# Altium PCB 整板_大板_one.PcbDoc (part 1 of 3) (continued)
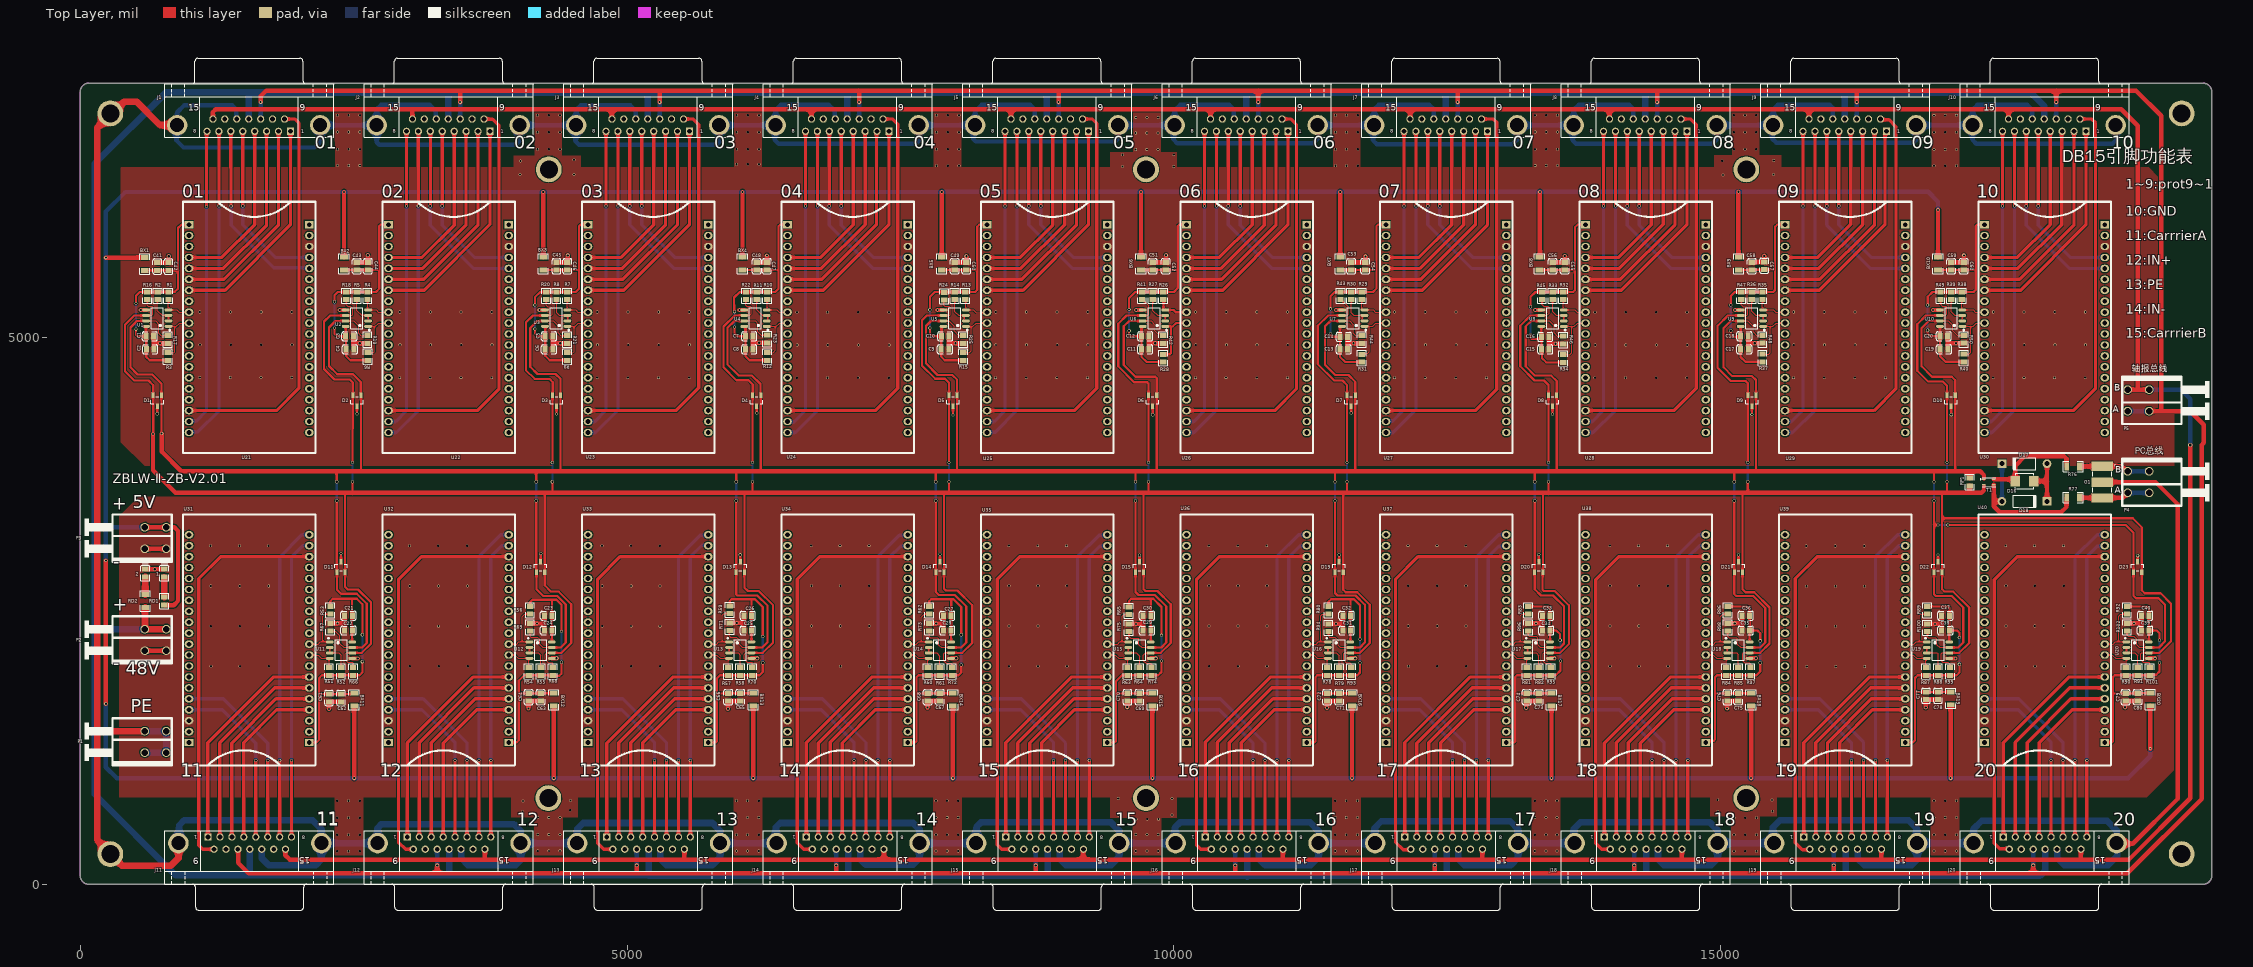
[diagram p0: Top Layer view]
## Components (designator, comment, footprint, x,y, rotation, side; value= is the part's Value field where it differs from the comment) (continued)
U6 "MAX13487" SOIC-8_150mil 9817.5,5175 r90 top
U7 "MAX13487" SOIC-8_150mil 11639.38,5175 r90 top
U8 "MAX13487" SOIC-8_150mil 13461.25,5175 r90 top
U9 "MAX13487" SOIC-8_150mil 15283.12,5175 r90 top
U10 "MAX13487" SOIC-8_150mil 17105,5175 r90 top
U11 "MAX13487" SOIC-8_150mil 2385,2140 r270 top
U12 "MAX13487" SOIC-8_150mil 4210,2140 r270 top
U13 "MAX13487" SOIC-8_150mil 6035,2140 r270 top
U14 "MAX13487" SOIC-8_150mil 7860,2140 r270 top
U15 "MAX13487" SOIC-8_150mil 9685,2140 r270 top
U16 "MAX13487" SOIC-8_150mil 11510,2140 r270 top
U17 "MAX13487" SOIC-8_150mil 13335,2140 r270 top
U18 "MAX13487" SOIC-8_150mil 15160,2140 r270 top
U19 "MAX13487" SOIC-8_150mil 16985,2140 r270 top
U20 "MAX13487" SOIC-8_150mil 18810,2140 r270 top
U21 "Stm32F103C8T6" stm32f103c8t6 995,6030 r270 top
U22 "Stm32F103C8T6" stm32f103c8t6 2818.89,6030 r270 top
U23 "Stm32F103C8T6" stm32f103c8t6 4642.78,6030 r270 top
U24 "Stm32F103C8T6" stm32f103c8t6 6466.67,6030 r270 top
U25 "Stm32F103C8T6" stm32f103c8t6 8290.56,6030 r270 top
U26 "Stm32F103C8T6" stm32f103c8t6 10114.44,6030 r270 top
U27 "Stm32F103C8T6" stm32f103c8t6 11938.33,6030 r270 top
U28 "Stm32F103C8T6" stm32f103c8t6 13762.22,6030 r270 top
U29 "Stm32F103C8T6" stm32f103c8t6 15586.11,6030 r270 top
U30 "Stm32F103C8T6" stm32f103c8t6 17410,6030 r270 top
U31 "Stm32F103C8T6" stm32f103c8t6 2095,1295 r90 top
U32 "Stm32F103C8T6" stm32f103c8t6 3918.89,1295 r90 top
U33 "Stm32F103C8T6" stm32f103c8t6 5742.78,1295 r90 top
U34 "Stm32F103C8T6" stm32f103c8t6 7566.67,1295 r90 top
U35 "Stm32F103C8T6" stm32f103c8t6 9390.56,1295 r90 top
U36 "Stm32F103C8T6" stm32f103c8t6 11214.44,1295 r90 top
U37 "Stm32F103C8T6" stm32f103c8t6 13038.33,1295 r90 top
U38 "Stm32F103C8T6" stm32f103c8t6 14862.22,1295 r90 top
U39 "Stm32F103C8T6" stm32f103c8t6 16686.11,1295 r90 top
U40 "Stm32F103C8T6" stm32f103c8t6 18510,1295 r90 top

## Footprints (in the part's own frame and the unit in brackets; to place one, negate y for a bottom-side part, rotate by r counter-clockwise, add the part's x,y. Pads: shape width x height; smd on the part's side, far side on the other; paste and mask are expansions set on the pad)
0805_C [mm]
  rect 1.16x1.47 smd: 1(-0.89,0) 2(0.89,0)
  silkscreen extent -1.77,-1.04 1.77,1.04, body extent -1,-0.62 1,0.63, height 0.77
0805_LED_S1 [mm]
  rect 1.16x1.47 smd: A(0.89,0) K(-0.89,0)
  silkscreen extent -2.25,-1.04 1.77,1.03, body extent -1.01,-0.62 1.01,0.62, height 1.1
0805_R [mm]
  rect 1.16x1.47 smd: 1(-0.89,0) 2(0.89,0)
  silkscreen extent -1.77,-1.04 1.77,1.03, body extent -1,-0.62 1,0.63, height 0.49
1206_R [mm]
  rect 1.13x1.8 smd: 1(-1.49,0) 2(1.49,0)
  silkscreen extent -2.36,-1.2 2.35,1.2, body extent -1.7,-0.86 1.65,0.87, height 0.85
ACM2520-2P [mm] "共模电感"
  rect 0.8x0.4 smd: 1(0,0) 2(0,-1.3) 3(2.3,-1.3) 4(2.3,0)
  silkscreen extent -0.86,-1.7 2.72,0.4
B3D090L-C [mm] "TVS管 GDT"
  rect 2.2x5 smd: 1(0,0) 2(3.7,0) 3(7.4,0)
  silkscreen extent -0.3,-2.2 6.1,3.1
DB15-PCB [mm] "公头"
  rect 1.69x1.69 hole 1.09: 1(0,0)
  round 1.69 hole 1.09: 2(-2.77,0) 3(-5.54,0) 4(-8.31,0) 5(-11.08,0) 6(-13.85,0) 7(-16.62,0) 8(-19.39,0) 9(-1.385,2.84) 10(-4.155,2.84) 11(-6.925,2.84) 12(-9.695,2.84) 13(-12.465,2.84) 14(-15.235,2.84) 15(-18.005,2.84)
  round 4.76 hole 3.26: 16(-26.3,1.42) 17(6.897,1.42)
  silkscreen extent -29.22,-1.4 10.04,16.99
DO-41 [mm] "Diode, Axial; Body 5.2 x 2.7 mm (LxDia. max), Lead Dia. 0.86 mm (max)"
  round 2 hole 1.2: 1(-5.23,0)
  rect 2x2 hole 1.2: 2(5.23,0)
  silkscreen extent -2.65,-1.4 2.75,1.4
SMBJ8_5CA [mm] "瞬态抑制二极管"
  rect 2.3x2.5 smd: 1(0,0) 2(4.3,0)
  silkscreen extent 0,-1.83 4.29,1.78
SOIC-8_150mil [mm]
  oval 0.7x1.8 smd: 1(-1.905,-2.6) 2(-0.635,-2.6) 3(0.635,-2.6) 4(1.905,-2.6) 5(1.905,2.6) 6(0.635,2.6) 7(-0.635,2.6) 8(-1.905,2.6)
  silkscreen extent -2.9,-3.05 2.4,1.4
SOT-23(SOT-23-3) [mm]
  rect 1.25x0.7 smd: 1(1.25,-0.95) 2(1.25,0.95) 3(-1.25,0)
  silkscreen extent -0.65,-1.46 0.9,1.46, body extent -1.5,-1.5 1.5,1.5, height 1.3
stm32f103c8t6 [mm] "优信30.77*58.71"
  rect 1.7x2 hole 1.1: 1(0,0) 40(0,27.94)
  oval 1.7x2 hole 1.1: 2(2.54,0) 3(5.08,0) 4(7.62,0) 5(10.16,0) 6(12.7,0) 7(15.24,0) 8(17.78,0) 9(20.32,0) 10(22.86,0) 11(25.4,0) 12(27.94,0) 13(30.48,0) 14(33.02,0) 15(35.56,0) 16(38.1,0) 17(40.64,0) 18(43.18,0) 19(45.72,0) 20(48.26,0) 21(48.26,27.94) 22(45.72,27.94) 23(43.18,27.94) 24(40.64,27.94) 25(38.1,27.94) 26(35.56,27.94) 27(33.02,27.94) 28(30.48,27.94) 29(27.94,27.94) 30(25.4,27.94) 31(22.86,27.94) 32(20.32,27.94) 33(17.78,27.94) 34(15.24,27.94) 35(12.7,27.94) 36(10.16,27.94) 37(7.62,27.94) 38(5.08,27.94) 39(2.54,27.94)
  silkscreen extent -5.33,-1.42 52.99,29.35
弹簧端子-KF242V-5.0-2P [mm]
  round 2 hole 1.5: 1(0,0) 1(0,-5) 2(5,-5) 2(5,0)
  silkscreen extent -3,-6.25 8,14

## Part data
1 2: library part "0805 翠绿", "发光二极管", Package=0805, SuppliersPartNumber=C2297, ComponentLink1Description=供应, ComponentLink1URL=http://www.szlcsc.com/product/details_2670.html, Supplier=LC
BX1 BX2 BX3 BX4 BX5 BX6 BX7 BX8 BX9 BX10 BX11 BX12 BX13 BX14 BX15 BX16 BX17 BX18 BX19 BX20: library part "1206 0Ω (0R0) 1%", "贴片电阻", Package=1206, SuppliersPartNumber=C17888, ComponentLink1Description=供应, ComponentLink1URL=http://www.szlcsc.com/product/details_18576.html, Supplier=LC
C1 C2 C3 C4 C5 C6 C7 C8 C9 C10 C11 C12 C13 C14 C15 C16 C17 C18 C19 C20 C21 C22 C23 C24 C25 C26 C27 C28 C29 C30 C31 C32 C33 C34 C35 C36 C37 C38 C39 C40 C41 C42 C43 C44 C45 C46 C47 C48 C49 C50 C51 C52 C53 C54 C55 C56 C57 C58 C59 C60 C61 C62 C63 C64 C65 C66 C67 C68 C69 C70 C71 C72 C73 C74 C75 C76 C77 C78 C79 C80: "Capacitor (Semiconductor SIM Model)", LatestRevisionDate=29-May-2009, LatestRevisionNote="IPC-7351 Footprint Added.", PackageDescription="Chip Capacitor", PackageReference=C1206, Published=8-Jun-2000, Publisher="Altium Limited"
D16: library part "D Varactor", "Variable Capacitance Diode", ComponentLink1Description="Manufacturer Link", ComponentLink1URL=http://www.zetex.com/, DatasheetVersion=Jan-1998, LatestRevisionDate=29-May-2009, LatestRevisionNote="IPC-7351 Footprint Added.", Note="Pin 2 is not connected and not drawn.", PackageDescription="3-Pin SOT-23 Package 0.95 mm Pitch, 2.3 mm Lead Span - Reverse Pinning", PackageReference=SOT23A, PackageVersion=1996, Published=8-Jun-2000, Publisher="Altium Limited"
D17 D18: library part "Diode 1N4007", "1 Amp General Purpose Rectifier", Code_JEDEC=DO-204-AL, ComponentLink1Description="Manufacturer Link", ComponentLink1URL=http://www.fairchildsemi.com/, ComponentLink2Description=Datasheet, ComponentLink2URL=http://www.fairchildsemi.com/ds/1N%2F1N4001.pdf, DatasheetVersion=1998, LatestRevisionDate=17-Jul-2002, LatestRevisionNote="Re-released for DXP Platform.", PackageDescription="Diode, Axial; Body 5.2 x 2.7 mm (LxDia. max), Lead Dia. 0.86 mm (max)", PackageReference=DO-41, PackageVersion=Aug-1999, Published=8-Jun-2000, Publisher="Altium Limited"
G1: library part GDT
J1 J2 J3 J4 J5 J6 J7 J8 J9 J10 J11 J12 J13 J14 J15 J16 J17 J18 J19 J20: "Receptacle Assembly, 15-Pin, Sim Line Connector", PackageDocument=B, DatasheetDocument=24-Nov-1999, Gender="Receptacle Header", LatestRevisionDate=17-Jul-2002, LatestRevisionNote="Re-released for DXP Platform.", Orientation="Right Angle", PackageReference=788574, Positions=15, Published=15-Jun-2001, Publisher="Altium Limited"
P1 P2 P3 P4 P5: "Header, 2-Pin", LatestRevisionDate=17-Jul-2002, LatestRevisionNote="Re-released for DXP Platform.", Publisher="Altium Limited"
R1 R2 R3 R4 R5 R6 R7 R8 R9 R10 R11 R12 R13 R14 R15 R16 R17 R18 R19 R20 R21 R22 R23 R24 R25 R26 R27 R28 R29 R30 R31 R32 R33 R34 R35 R36 R37 R38 R39 R40 R41 R42 R43 R44 R45 R46 R47 R48 R49 R50 R51 R52 R53 R54 R55 R56 R57 R58 R59 R60 R61 R62 R63 R64 R65 R66 R67 R68 R69 R70 R71 R72 R73 R74 R75 R78 R79 R80 R81 R82 R83 R84 R85 R86 R87 R88 R89 R90 R91 R92 R93 R94 R95 R96 R97 R98 R99 R100 R101 R102 RP1: library part Res_, "电阻"
R76 R77: library part Res2, "Resistor", LatestRevisionDate=17-Jul-2002, LatestRevisionNote="Re-released for DXP Platform.", PackageDescription="Axial Device, Thru-Hole; 2 Leads; 0.4 in Pin Spacing", PackageReference=AXIAL-0.4, Published=8-Jun-2000, Publisher="Altium Limited"
RD1: library part "0805 2.2KΩ (2201) 1%", "贴片电阻", Package=0805, SuppliersPartNumber=C17520, ComponentLink1Description=供应, ComponentLink1URL=http://www.szlcsc.com/product/details_18208.html, Supplier=LC
RD2: library part "0805 24KΩ (2402) 1%", "贴片电阻", Package=0805, SuppliersPartNumber=C17575, ComponentLink1Description=供应, ComponentLink1URL=http://www.szlcsc.com/product/details_18263.html, Supplier=LC
T1: library part "Trans Ideal", "Transformer (Ideal)", LatestRevisionDate=17-Jul-2002, LatestRevisionNote="Re-released for DXP Platform.", PackageDescription="Transformer; 4 Leads", PackageReference=TRF_4, Published=8-Jun-2000, Publisher="Altium Limited"
U1 U2 U3 U4 U5 U6 U7 U8 U9 U10 U11 U12 U13 U14 U15 U16 U17 U18 U19 U20: library part SP3485
U21 U22 U23 U24 U25 U26 U27 U28 U29 U30 U31 U32 U33 U34 U35 U36 U37 U38 U39 U40: library part MCU, "优信尺寸30.77*58.71"

## Free pads (board coordinates)
  round 236.22 hole 165.35: 0(275.59,275.59) 0(275.59,7047.24) 0(4280,787.4) 0(4284.45,6535.43) 0(9744.45,787.4) 0(9744.45,6535.43) 0(15231.45,787.4) 0(15232.32,6535.43) 0(19212.6,275.59) 0(19212.6,7047.24)

## Via types
v1: diameter 25, hole 20, Top Layer to Bottom Layer, 462 vias
v2: diameter 30, hole 20, Top Layer to Bottom Layer, 281 vias
v3: diameter 40, hole 25, Top Layer to Bottom Layer, 1 vias
v4: diameter 25, hole 15, Top Layer to Bottom Layer, 1 vias

## Nets (pads, with @x,y where several pads share a name; then routed paths per layer and width w, separated by ;. In a path a pad name is that pad's centre, name@x,y a point inside that pad or via, vN(x,y) a via of type N, cw(c..) or ccw(c..) an arc to the next point about the centre after c; other vN are vias at no path point)
+5V: BX1.1 BX2.1 BX3.1 BX4.1 BX5.1 BX6.1 BX7.1 BX8.1 BX9.1 BX10.1 BX11.1 BX12.1 BX13.1 BX14.1 BX15.1 BX16.1 BX17.1 BX18.1 BX19.1 BX20.1 P3.2 RD1.2 | length 54259.5
  Top Layer w40: v2(235,1650) v2(235,2960) ; v2(235,5728.66) BX1.1@590,5728.66 ; P3.2@590.55,3263.31 P3.2@787.4,3263.31 861.69,3263.31 895,3230 895,2590 855.79,2550.79 772.83,2550.79 RD1.2@770,2553.62 ; BX2.1@2411.67,5731.65 v2(2411.67,6328.63) ; v2(2505,970) BX11.1@2505,1621.34 ; BX3.1@4233.33,5731.65 v2(4233.33,6328.63) ; v2(4329.44,970) BX12.1@4329.44,1628.35 ; BX4.1@6049.58,5733.9 6051.83,5731.65 6052.76,5731.65 6055,5733.9 v2(6055,6328.63) ; v2@6153.89,970 BX13.1@6153.89,1628.35 ; BX5.1@7876.67,5731.65 v2(7876.67,6328.63) ; v2@7978.33,970 BX14.1@7978.33,1628.35 ; BX6.1@9698.33,5731.65 v2(9698.33,6328.63) ; v2@9802.78,970 BX15.1@9802.78,1628.35 ; BX7.1@11520,5731.65 v2(11520,6328.63) ; v2(11627.22,970) BX16.1@11627.22,1628.35 ; BX8.1@13338.2,5731.65 BX8.1@13341.67,5731.65 13342.76,5731.65 13345,5733.9 v2(13345,6328.63) ; v2(13451.46,970) 13451.56,970.1 13451.56,1628.24 BX17.1@13451.67,1628.35 ; v2(15160,6330) 15160,5733.9 15162.24,5731.65 BX9.1@15163.33,5731.65 ; v2(15275.87,970) 15275.99,970.12 15275.99,1628.23 BX18.1@15276.11,1628.35 ; BX10.1@16985,5731.65 v2(16985,6165) ; v2(17100.28,970) 17100.28,1641.06 BX19.1@17100.56,1641.34 ; v4(18925,1240) BX20.1@18925,1631.34
  Bottom Layer w40: v2(235,1650) 235,1070 335,970 v2(2505,970) v2(4329.44,970) v2(6153.82,970) v2(7978.23,970) v2(9802.64,970) v2(11627.22,970) v2(13451.46,970) v2(15275.87,970) v2(17100.28,970) 18725,970 18925,1170 v4(18925,1240) ; v2(235,2960) 235,3260 ; P3.2@590.55,3263.31 238.31,3263.31 235,3260 ; v2(16985,6165) 16985,6240 16895,6330 v2(15160,6330) 9705,6330 9704.39,6329.39 7879.39,6329.39 7878.63,6328.63 v2(7876.67,6328.63) v2(6055,6328.63) v2(4233.33,6328.63) v2(2411.67,6328.63) 413.63,6328.63 235,6150 v2(235,5728.66) 235,3260
CarrrierA: J1.11 J2.11 J3.11 J4.11 J5.11 J6.11 J7.11 J8.11 J9.11 J10.11 J11.11 J12.11 J13.11 J14.11 J15.11 J16.11 J17.11 J18.11 J19.11 J20.11 P5.2 | length 47316.3
  Top Layer w40: J11.11@1441.89,320 1445,316.89 1445,195 1540,100 3263.94,100 ; v2@1650.96,7150.96 1650.96,7205.96 1700,7255 3475,7255 ; v2(3263.94,172.28) 3263.94,100 ; v2(3473.83,7150) 3473.83,7253.83 3475,7255 ; J13.11@5085,317.17 J13.11@5087.83,320 ; v2(5087.83,172.28) 5086.88,171.32 5086.88,101.88 5085,100 ; v2(5297.72,7150) 5297.72,7254.78 5297.5,7255 ; v2(6911.72,172.28) 6910.76,171.32 6910.76,100.76 6910,100 ; v2(7121.61,7150) 7121.61,7253.39 7120,7255 ; v2(8735.61,172.28) 8735.61,100.61 8735,100 ; v2(8945,7150) 8945,7250 8940,7255 ; v2@10558.54,171.32 10558.54,103.54 10555,100 ; v2(10770,7150) 10770,7255 ; v2(12383.39,172.28) 12384.34,171.32 12384.34,100.66 12385,100 ; v2(12593.28,7150) 12593.28,7251.72 12590,7255 ; v2(14207.28,172.28) 14206.32,171.32 14206.32,101.32 14205,100 ; v2(14417.17,7150) 14417.17,7252.83 14415,7255 ; v2@16030.21,171.32 16030.21,100.21 16030,100 ; v2(16241.06,7150) 16241.06,7253.94 16240,7255 ; v2(17855,172.28) 17855,100 ; v2(18065,7150) 18065,7255 ; P5.2@18915,4325 19020,4325 ; 3263.94,100 5085,100 ; 3475,7255 5297.5,7255 ; 5085,100 6910,100 ; 5297.5,7255 7120,7255 ; 6910,100 8735,100 ; 7120,7255 8940,7255 ; 8735,100 10555,100 ; 8940,7255 10770,7255 ; 10555,100 12385,100 ; 10770,7255 12590,7255 ; 12385,100 14205,100 ; 12590,7255 14415,7255 ; 14205,100 16030,100 ; 14415,7255 16240,7255 ; 16030,100 17855,100 ; 16240,7255 18065,7255 ; 17855,100 18715,100 19395,780 19395,4015 19415,4035 19415,4200 19290,4325 19020,4325 ; 18065,7255 18795,7255 19025,7025 19025,4775 19025,4330 19020,4325
  Bottom Layer w40: J1.11@1649.95,6995 v2@1649.95,7150 ; v2@3263.94,171.06 v2(3263.94,172.28) J12.11@3263.94,320 ; J2.11@3473.83,6995 v2(3473.83,7150) ; v2@5087.83,167.17 v2(5087.83,172.28) J13.11@5087.83,320 ; J3.11@5297.72,6995 v2(5297.72,7150) ; v2@6911.72,171.72 v2(6911.72,172.28) J14.11@6911.72,320 ; J4.11@7121.61,6995 v2(7121.61,7150) ; v2(8735.61,172.28) J15.11@8735.61,320 ; v2(8945,7150) 8945,6995.5 J5.11@8945.5,6995 ; v2(10559.5,172.28) J16.11@10559.5,320 ; J6.11@10769.39,6995 10770,6995.61 v2(10770,7150) ; v2@12383.39,171.61 v2(12383.39,172.28) J17.11@12383.39,320 ; J7.11@12593.28,6995 v2(12593.28,7150) ; v2(14207.28,172.28) J18.11@14207.28,320 ; J8.11@14417.17,6995 v2@14417.17,7147.83 ; v2(16031.16,172.28) J19.11@16031.16,320 ; J9.11@16241.06,6995 v2@16241.06,7148.94 ; v2@17855.05,170.05 J20.11@17855.05,320 ; J10.11@18064.94,6995 18065,6995.06 v2(18065,7150) ; P5.2@18718.15,4325 P5.2@18915,4325
  other v2: 1650,7150
CarrrierB: J1.15 J2.15 J3.15 J4.15 J5.15 J6.15 J7.15 J8.15 J9.15 J10.15 J11.15 J12.15 J13.15 J14.15 J15.15 J16.15 J17.15 J18.15 J19.15 J20.15 P5.1 | length 43799.1
  Top Layer w40: J1.15@1213.72,6995 1213.72,7058.72 1240,7085 3037.61,7085 J2.15@3037.61,6995 ; J11.15@1878.11,320 1875,316.89 1875,265 1915,225 3700,225 ; 3040,7085 4860,7085 ; J12.15@3700.16,320 3700.16,225.16 3700,225 ; J3.15@4861.5,6995 4860,6996.5 4860,7085 ; J13.15@5524.05,320 5524.05,225.95 5525,225 ; J4.15@6685.39,6995 6685,6995.39 6685,7085 ; J14.15@7347.94,320 7347.94,225 ; J5.15@8509.28,6995 8510,6995.72 8510,7085 ; J15.15@9171.83,320 9170,318.17 9170,225 ; J6.15@10333.17,6995 10335,6996.83 10335,7085 ; J16.15@10995.72,320 10995.72,225.72 10995,225 ; J7.15@12157.06,6995 12160,6997.94 12160,7085 ; J17.15@12819.61,320 12819.61,225.39 12820,225 ; J8.15@13980.95,6995 13980,6995.95 13980,7085 ; J18.15@14643.5,320 14643.5,226.5 14645,225 ; J9.15@15804.84,6995 15805,6995.16 15805,7085 ; 16465,225 14645,225 ; J19.15@16467.39,320 16467.39,225 18290,225 ; J10.15@17628.72,6995 17630,6996.28 17630,7085 ; J20.15@18291.27,320 18291.27,226.27 18290,225 ; P5.1@18718.15,4521.85 18805,4521.85 ; P5.1@18915,4521.85 18805,4521.85 ; v3(19290,4015) 19290,785 18730,225 18290,225 ; 3700,225 5525,225 ; 4860,7085 6685,7085 ; 5525,225 7347.94,225 ; 6685,7085 8510,7085 ; 7347.94,225 9170,225 ; 8510,7085 10335,7085 ; 9170,225 10995,225 ; 10335,7085 12160,7085 ; 10995,225 12820,225 ; 12160,7085 13980,7085 ; 12820,225 14645,225 ; 13980,7085 15805,7085 ; 15805,7085 17630,7085 ; 17630,7085 18660,7085 18810,6935 18810,4765 18810,4526.85 18805,4521.85
  Bottom Layer w40: J5.15@8509.28,6995 J5.15@8510,6995.72 ; J9.15@15804.84,6995 15804.84,6990.16 J9.15@15805,6990 ; P5.1@18915,4521.85 19203.15,4521.85 19290,4435 v3(19290,4015)
GND: 1.K 2.K C1.2 C2.2 C3.2 C4.2 C5.2 C6.2 C7.2 C8.2 C9.2 C10.2 C11.2 C12.2 C13.2 C14.2 C15.2 C16.2 C17.2 C18.2 C19.2 C20.2 C21.2 C22.2 C23.2 C24.2 C25.2 C26.2 C27.2 C28.2 C29.2 C30.2 C31.2 C32.2 C33.2 C34.2 C35.2 C36.2 C37.2 C38.2 C39.2 C40.2 C41.2 C42.2 C43.2 C44.2 C45.2 C46.2 C47.2 C48.2 C49.2 C50.2 C51.2 C52.2 C53.2 C54.2 C55.2 C56.2 C57.2 C58.2 C59.2 C60.2 C61.2 C62.2 C63.2 C64.2 C65.2 C66.2 C67.2 C68.2 C69.2 C70.2 C71.2 C72.2 C73.2 C74.2 C75.2 C76.2 C77.2 C78.2 C79.2 C80.2 D1.3 D2.3 D3.3 D4.3 D5.3 D6.3 D7.3 D8.3 D9.3 D10.3 D11.3 D12.3 D13.3 D14.3 D15.3 D19.3 D20.3 D21.3 D22.3 D23.3 J1.10 J1.14 J2.10 J2.14 J3.10 J3.14 J4.10 J4.14 J5.10 J5.14 J6.10 J6.14 J7.10 J7.14 J8.10 J8.14 J9.10 J9.14 J10.10 J10.14 J11.10 J11.14 J12.10 J12.14 J13.10 J13.14 J14.10 J14.14 J15.10 J15.14 J16.10 J16.14 J17.10 J17.14 J18.10 J18.14 J19.10 J19.14 J20.10 J20.14 P2.1 P3.1 R17.2 R19.2 R21.2 R23.2 R25.2 R42.2 R44.2 R46.2 R48.2 R50.2 R67.2 R69.2 R71.2 R73.2 R75.2 R94.2 R96.2 R98.2 R100.2 R102.2 U1.5 U2.5 U3.5 U4.5 U5.5 U6.5 U7.5 U8.5 U9.5 U10.5 U11.5 U12.5 U13.5 U14.5 U15.5 U16.5 U17.5 U18.5 U19.5 U20.5 U21.38 U22.38 U23.38 U24.38 U25.38 U26.38 U27.38 U28.38 U29.38 U30.38 U31.38 U32.38 U33.38 U34.38 U35.38 U36.38 U37.38 U38.38 U39.38 U40.38 | length 11608.2
  Top Layer w20: v2(705,4302) D1.3@705,4370.79 ; D11.3@2385,2949.21 v2(2385,3024) ; v2(2530,4301) D2.3@2530,4370.79 ; v2@2536.45,2063.55 v2(2537,2063) ; D12.3@4210,2949.21 v2(4210,3023) ; v2(4355,4298) D3.3@4355,4370.79 ; D13.3@6035,2949.21 v2(6035,3011) ; v2(6185,4308) D4.3@6185,4370.79 ; D14.3@7860,2949.21 v2(7860,3016) ; v2(7980,4289) D5.3@7980,4370.79 ; D15.3@9685,2949.21 v2(9685,3008) ; v2(9805,4292) D6.3@9805,4370.79 ; D19.3@11510,2949.21 v2(11510,3013) ; v2(11620,4308) D7.3@11620,4370.79 ; D20.3@13335,2949.21 v2(13335,3015) ; v2(13461.25,4296.25) D8.3@13461.25,4370.79 ; D21.3@15160,2949.21 v2(15160,3013) ; v2(15283.12,4295.12) D9.3@15283.12,4370.79 ; D22.3@16985,2949.21 v2(16985,3009) ; U19.5@17087.36,2065 U19.5@17088.36,2064 ; v2(17105,4293) D10.3@17105,4370.79 ; D23.3@18810,2949.21 v2(18810,3004)
  Top Layer w40: v2(554,5250) U1.5@602.64,5250 ; P2.1@590.55,2134.78 P2.1@787.4,2134.78 ; P3.1@590.55,3066.46 P3.1@787.4,3066.46 ; 2.K@595,2880.04 1.K@770,2880 ; C1.2@671.87,5008.98 673.45,5007.39 673.45,4949.49 ; C2.2@675.04,4890 673.45,4891.59 673.45,4949.49 ; C41.2@705,5682.01 C42.2@807.11,5682.01 807.17,5682.01 810,5684.84 v2(810,5741) ; R17.2@802.11,4945 677.94,4945 673.45,4949.49 ; v2(2275,1602) C61.2@2275,1667.99 C62.2@2385,1667.99 ; R67.2@2287.89,2385.04 2415.67,2385.04 2418.13,2387.5 ; v2(2374,5250) U2.5@2427.64,5250 ; C22.2@2418.13,2320 2418.13,2387.5 ; C21.2@2418.13,2455 2418.13,2387.5 ; U11.5@2488.81,2063.55 v2@2536.45,2063.55 ; C3.2@2496.87,5008.98 2499.37,5006.48 2499.37,4949.49 ; C4.2@2501.87,4890 2499.37,4892.5 2499.37,4949.49 ; C43.2@2530,5685 C44.2@2630.76,5685 2630,5685.76 v2(2630,5750) ; R19.2@2627.11,4945 2503.85,4945 2499.37,4949.49 ; v2(4099,1607) 4099,1674 C64.2@4100,1675 C63.2@4210,1675 ; R69.2@4112.89,2383.98 4239.61,2383.98 4243.13,2387.5 ; v2(4198,5250) U3.5@4249.51,5250 ; C24.2@4243.13,2320 4243.13,2387.5 ; C23.2@4243.13,2455 4243.13,2387.5 ; U12.5@4313.36,2066 v2(4356,2066) ; C6.2@4321.87,4890 4321.87,4949.49 ; C5.2@4321.87,5008.98 4321.87,4949.49 ; C45.2@4355,5685 C46.2@4454.42,5685 4455.17,5685 4458,5687.83 v2(4458,5749) ; R21.2@4452.11,4945 v2(4389.23,4945) 4326.35,4945 4321.87,4949.49 ; v2(5922,1604) 5922,1672.17 5924.83,1675 C66.2@5925,1675 C65.2@6035,1675 ; R71.2@5937.89,2388.98 6066.66,2388.98 6068.13,2387.5 ; v2(6027,5250) U4.5@6071.39,5250 ; C25.2@6068.13,2320 6068.13,2387.5 ; C26.2@6068.13,2455 6068.13,2387.5 ; U13.5@6137.36,2065 v2(6190,2065) ; C8.2@6151.87,4890 6151.87,4949.49 ; C7.2@6151.87,5008.98 6151.87,4949.49 ; C48.2@6185,5685 C47.2@6278.07,5685 6278,5685.07 v2(6278,5747) ; R23.2@6282.11,4950 v2(6209,4950) 6152.38,4950 6151.87,4949.49 ; v2(7747,1615) 7747,1672.17 7749.83,1675 C68.2@7750,1675 C67.2@7860,1675 ; R73.2@7762.89,2383.98 7889.61,2383.98 7893.13,2387.5 ; v2(7837,5250) U5.5@7893.26,5250 ; C28.2@7893.13,2320 7893.13,2387.5 ; C27.2@7893.13,2455 7893.13,2387.5 ; C9.2@7941.87,4890 7942.87,4891 7942.87,4949.49 ; C10.2@7943.87,5008.98 7942.87,5007.98 7942.87,4949.49 ; U14.5@7963.36,2066 v2(8010,2066) ; C49.2@7995.63,5685 C50.2@8101.73,5685 8102,5685.27 v2(8102,5741) ; R25.2@8074.11,4945 7947.35,4945 7942.87,4949.49 ; v2(9573,1619) 9573,1673 C70.2@9575,1675 C69.2@9685,1675 ; R75.2@9587.89,2378.98 9718.11,2378.98 ; v2(9655,5250) U6.5@9715.14,5250 ; C29.2@9718.13,2320 9718.13,2379 C30.2@9718.13,2455 ; C11.2@9771.87,4890 9771.87,4949.49 ; C12.2@9771.87,5008.98 9771.87,4949.49 ; U15.5@9787.36,2065 v2(9834,2065) ; C51.2@9805,5685 C52.2@9925.38,5685 9928,5687.62 v2(9928,5750) ; R42.2@9902.11,4945 v2(9829,4945) 9776.35,4945 9771.87,4949.49 ; v2(11399,1614) 11399,1674 C72.2@11400,1675 C71.2@11510,1675 ; R94.2@11412.89,2380.04 11535.67,2380.04 11543.13,2387.5 ; v2(11481,5250) U7.5@11537.01,5250 ; C31.2@11543.13,2320 11543.13,2387.5 ; C32.2@11543.13,2455 11543.13,2387.5 ; C13.2@11586.87,4890 11586.87,4947.5 ; C14.2@11586.87,5005 11586.87,4947.5 ; U16.5@11612.36,2065 v2(11657,2065) ; C53.2@11620,5685 C54.2@11749.04,5685 11750,5685.96 v2(11750,5740) ; R44.2@11717.11,4945 11589.37,4945 11586.87,4947.5 ; v2(13220,1614) 13220,1672.17 13222.83,1675 C74.2@13225,1675 C73.2@13335,1675 ; R96.2@13237.89,2385.04 13365.67,2385.04 13368.13,2387.5 ; v2(13303,5250) U8.5@13358.89,5250 ; C34.2@13368.13,2320 13368.13,2387.5 ; C33.2@13368.13,2455 13368.13,2387.5 ; C16.2@13428.12,5005 13429.06,5004.06 13429.06,4947.5 ; C15.2@13430,4890 13429.06,4890.94 13429.06,4947.5 ; U17.5@13438.58,2063.78 13439.79,2065 v2(13479,2065) ; C56.2@13461.25,5685 C55.2@13572.69,5685 13573,5685.31 v2(13573,5743) ; R46.2@13558.36,4941.02 13435.53,4941.02 13429.06,4947.5 ; v2(15057,1606) 15057,1672.17 15059.83,1675 C76.2@15060,1675 C75.2@15160,1675 ; R98.2@15062.89,2385.04 v2(15126.78,2385.04) 15190.67,2385.04 15193.13,2387.5 ; v2(15130,5250) U9.5@15180.76,5250 ; C35.2@15193.13,2320 15193.13,2387.5 ; C36.2@15193.13,2455 15193.13,2387.5 ; C18.2@15249.99,5010 C18.2@15249.99,5010 15250.04,4950 ; C17.2@15250.08,4890 15250.04,4890.04 15250.04,4950 ; U18.5@15262.36,2065 15263.36,2066 v2(15320,2066) ; C58.2@15283.13,5685 15285.63,5687.5 15393.85,5687.5 C57.2@15396.35,5690 15397,5690.65 v2(15397,5744) ; R48.2@15380.24,4946.02 15254.01,4946.02 15250.04,4950 ; v2(16873,1616) 16873,1685.99 C77.2@16875,1687.99 C78.2@16985,1687.99 ; R100.2@16887.89,2380.04 17010.67,2380.04 17018.13,2387.5 ; v2(16939,5250) U10.5@17002.64,5250 ; C38.2@17018.13,2320 17018.13,2387.5 ; C37.2@17018.13,2455 17018.13,2387.5 ; C20.2@17071.87,5010 17073.43,5008.43 17073.43,4950 ; C19.2@17075,4890 17073.43,4891.57 17073.43,4950 ; U19.5@17088.36,2064 v2(17145,2064) ; C59.2@17105,5685 C60.2@17220,5685 17221,5686 v2(17221,5749) ; R50.2@17220,4946.02 v2(17148.7,4946.02) 17077.41,4946.02 17073.43,4950 ; v2(18695,1618) 18695,1672.17 18697.83,1675 C79.2@18700,1675 C80.2@18810,1675 ; R102.2@18712.89,2385.04 v2(18777.24,2385.04) 18841.59,2385.04 18844.05,2387.5 ; C39.2@18843.13,2320 18844.05,2320.91 18844.05,2387.5 ; C40.2@18844.96,2455 18844.05,2454.09 18844.05,2387.5 ; U20.5@18912.36,2065 v2(18969,2065)
  other v1: 2350.5,302 2453,302 2555.5,302 15120.5,302 15223,302 15325.5,302 5999.5,303 6102,303 6204.5,303 7823.5,303 7926,303 8028.5,303 11473.5,303 11576,303 11678.5,303 13297.5,303 13400,303 13502.5,303 16948.5,303 17051,303 17153.5,303 9650.5,304 9753,304 9855.5,304 4182.5,305 4285,305 4387.5,305 2350.5,452 2453,452 2555.5,452 15120.5,452 15223,452 15325.5,452 5999.5,453 6102,453 6204.5,453 7823.5,453 7926,453 8028.5,453 11473.5,453 11576,453 11678.5,453 13297.5,453 13400,453 13502.5,453 16948.5,453 17051,453 17153.5,453 9650.5,454 9753,454 9855.5,454 4182.5,455 4285,455 4387.5,455 9652.5,595 9755,595 9857.5,595 2350.5,608 2453,608 2555.5,608 15120.5,608 15223,608 15325.5,608 5999.5,609 6102,609 6204.5,609 7823.5,609 7926,609 8028.5,609 11473.5,609 11576,609 11678.5,609 13297.5,609 13400,609 13502.5,609 16948.5,609 17051,609 17153.5,609 4182.5,611 4285,611 4387.5,611 9490,633 9982,633 4045,663 14972,665 15471,667 4480,677 4048,760 2350.5,763 2453,763 2555.5,763 5999.5,764 6102,764 6204.5,764 7823.5,764 7926,764 8028.5,764 11473.5,764 11576,764 11678.5,764 13297.5,764 13400,764 13502.5,764 16948.5,764 17051,764 17153.5,764 4483,766 15468,771 14970,773 9490,783 9982,783 15785,1990.33 16049.5,1990.33 16314,1990.33 1195.5,1992 1460,1992 1724.5,1992 3014,1992.33 3278.5,1992.33 3543,1992.33 4774,1992.33 5038.5,1992.33 5303,1992.33 6687,1993.33 6951.5,1993.33 7216,1993.33 8493,1993.33 8757.5,1993.33 9022,1993.33 10322,1993.33 10586.5,1993.33 10851,1993.33 12143,1993.33 12407.5,1993.33 12672,1993.33 13987,1993.33 14251.5,1993.33 14516,1993.33 17607,1993.33 17871.5,1993.33 18136,1993.33 15783.5,2357.67 16048,2357.67 16312.5,2357.67 1194,2359.33 1458.5,2359.33 1723,2359.33 3012.5,2359.67 3277,2359.67 3541.5,2359.67 4772.5,2359.67 5037,2359.67 5301.5,2359.67 6685.5,2360.67 6950,2360.67 7214.5,2360.67 8491.5,2360.67 8756,2360.67 9020.5,2360.67 10320.5,2360.67 10585,2360.67 10849.5,2360.67 12141.5,2360.67 12406,2360.67 12670.5,2360.67 13985.5,2360.67 14250,2360.67 14514.5,2360.67 17605.5,2360.67 17870,2360.67 18134.5,2360.67 15783.5,2725 16048,2725 16312.5,2725 1194,2726.67 1458.5,2726.67 1723,2726.67 3012.5,2727 3277,2727 3541.5,2727 4772.5,2727 5037,2727 5301.5,2727 6685.5,2728 6950,2728 7214.5,2728 8491.5,2728 8756,2728 9020.5,2728 10320.5,2728 10585,2728 10849.5,2728 12141.5,2728 12406,2728 12670.5,2728 13985.5,2728 14250,2728 14514.5,2728 17605.5,2728 17870,2728 18134.5,2728 15781,3092.33 16045.5,3092.33 16310,3092.33 1191.5,3094 1456,3094 1720.5,3094 3010,3094.33 3274.5,3094.33 3539,3094.33 4770,3094.33 5034.5,3094.33 5299,3094.33 6683,3095.33 6947.5,3095.33 7212,3095.33 8489,3095.33 8753.5,3095.33 9018,3095.33 10318,3095.33 10582.5,3095.33 10847,3095.33 12139,3095.33 12403.5,3095.33 12668,3095.33 13983,3095.33 14247.5,3095.33 14512,3095.33 17603,3095.33 17867.5,3095.33 18132,3095.33 2920.67,4631.5 3201,4631.5 3481.33,4631.5 3761.67,4631.5 4726.67,4631.5 5007,4631.5 5287.33,4631.5 5567.67,4631.5 6551.67,4630.5 6832,4630.5 7112.33,4630.5 7392.67,4630.5 8368.67,4631.5 8649,4631.5 8929.33,4631.5 9209.67,4631.5 10195.67,4631.5 10476,4631.5 10756.33,4631.5 11036.67,4631.5 12015.67,4631.5 12296,4631.5 12576.33,4631.5 12856.67,4631.5 13847.67,4630.5 14128,4630.5 14408.33,4630.5 14688.67,4630.5 15663.67,4631.5 15944,4631.5 16224.33,4631.5 16504.67,4631.5 17489.67,4631.5 17770,4631.5 18050.33,4631.5 18330.67,4631.5 1092.67,4632 1373,4632 1653.33,4632 1933.67,4632 6554.67,4930 6835,4930 7115.33,4930 7395.67,4930 13850.67,4930 14131,4930 14411.33,4930 14691.67,4930 1095.67,4931.5 1376,4931.5 1656.33,4931.5 1936.67,4931.5 2923.67,4931 3204,4931 3484.33,4931 3764.67,4931 4729.67,4931 5010,4931 5290.33,4931 5570.67,4931 8371.67,4931 8652,4931 8932.33,4931 9212.67,4931 10198.67,4931 10479,4931 10759.33,4931 11039.67,4931 12018.67,4931 12299,4931 12579.33,4931 12859.67,4931 15666.67,4931 15947,4931 16227.33,4931 16507.67,4931 17492.67,4931 17773,4931 18053.33,4931 18333.67,4931 6553,5229.5 6833.33,5229.5 7113.67,5229.5 7394,5229.5 13849,5229.5 14129.33,5229.5 14409.67,5229.5 14690,5229.5 1094,5231 1374.33,5231 1654.67,5231 1935,5231 2922,5230.5 3202.33,5230.5 3482.67,5230.5 3763,5230.5 4728,5230.5 5008.33,5230.5 5288.67,5230.5 5569,5230.5 8370,5230.5 8650.33,5230.5 8930.67,5230.5 9211,5230.5 10197,5230.5 10477.33,5230.5 10757.67,5230.5 11038,5230.5 12017,5230.5 12297.33,5230.5 12577.67,5230.5 12858,5230.5 15665,5230.5 15945.33,5230.5 16225.67,5230.5 16506,5230.5 17491,5230.5 17771.33,5230.5 18051.67,5230.5 18332,5230.5 15020,6484 4021,6488 4514,6488 15481,6489 9530,6561 9998,6562 16948.5,6568 17051,6568 17153.5,6568 7829.5,6569 7932,6569 8034.5,6569 11475.5,6569 11578,6569 11680.5,6569 2352,6570 2454.5,6570 2557,6570 13301.5,6570 13404,6570 13506.5,6570 6000.5,6583 6103,6583 6205.5,6583 4025,6612 15013,6614 15483,6616 4515,6623 9529,6669 9997,6670 9649.5,6718 9752,6718 9854.5,6718 16948.5,6718 17051,6718 17153.5,6718 4181.5,6719 4284,6719 4386.5,6719 6001.5,6719 6104,6719 6206.5,6719 7829.5,6719 7932,6719 8034.5,6719 11475.5,6719 11578,6719 11680.5,6719 15117.5,6719 15220,6719 15322.5,6719 2352,6720 2454.5,6720 2557,6720 13301.5,6720 13404,6720 13506.5,6720 9649.5,6868 9752,6868 9854.5,6868 16948.5,6874 17051,6874 17153.5,6874 4181.5,6875 4284,6875 4386.5,6875 6001.5,6875 6104,6875 6206.5,6875 7829.5,6875 7932,6875 8034.5,6875 11475.5,6875 11578,6875 11680.5,6875 15117.5,6875 15220,6875 15322.5,6875 2352,6876 2454.5,6876 2557,6876 13301.5,6876 13404,6876 13506.5,6876 9651.5,7009 9754,7009 9856.5,7009 16948.5,7029 17051,7029 17153.5,7029 4181.5,7030 4284,7030 4386.5,7030 6001.5,7030 6104,7030 6206.5,7030 7829.5,7030 7932,7030 8034.5,7030 11475.5,7030 11578,7030 11680.5,7030 15117.5,7030 15220,7030 15322.5,7030 2352,7031 2454.5,7031 2557,7031 13301.5,7031 13404,7031 13506.5,7031
  other v2: 9653,2378.98 16958,2380 11482,2382 4176.25,2383.98 7826.25,2383.98 2351.78,2385.04 13310,2385 6002.27,2388.98 682.5,2880.02 13489,4941 730,4946 2556,4946 8003,4946 11642,4946 15309,4946